# KiCad board arena_10_of_10_v1r1.kicad_pcb (continued)
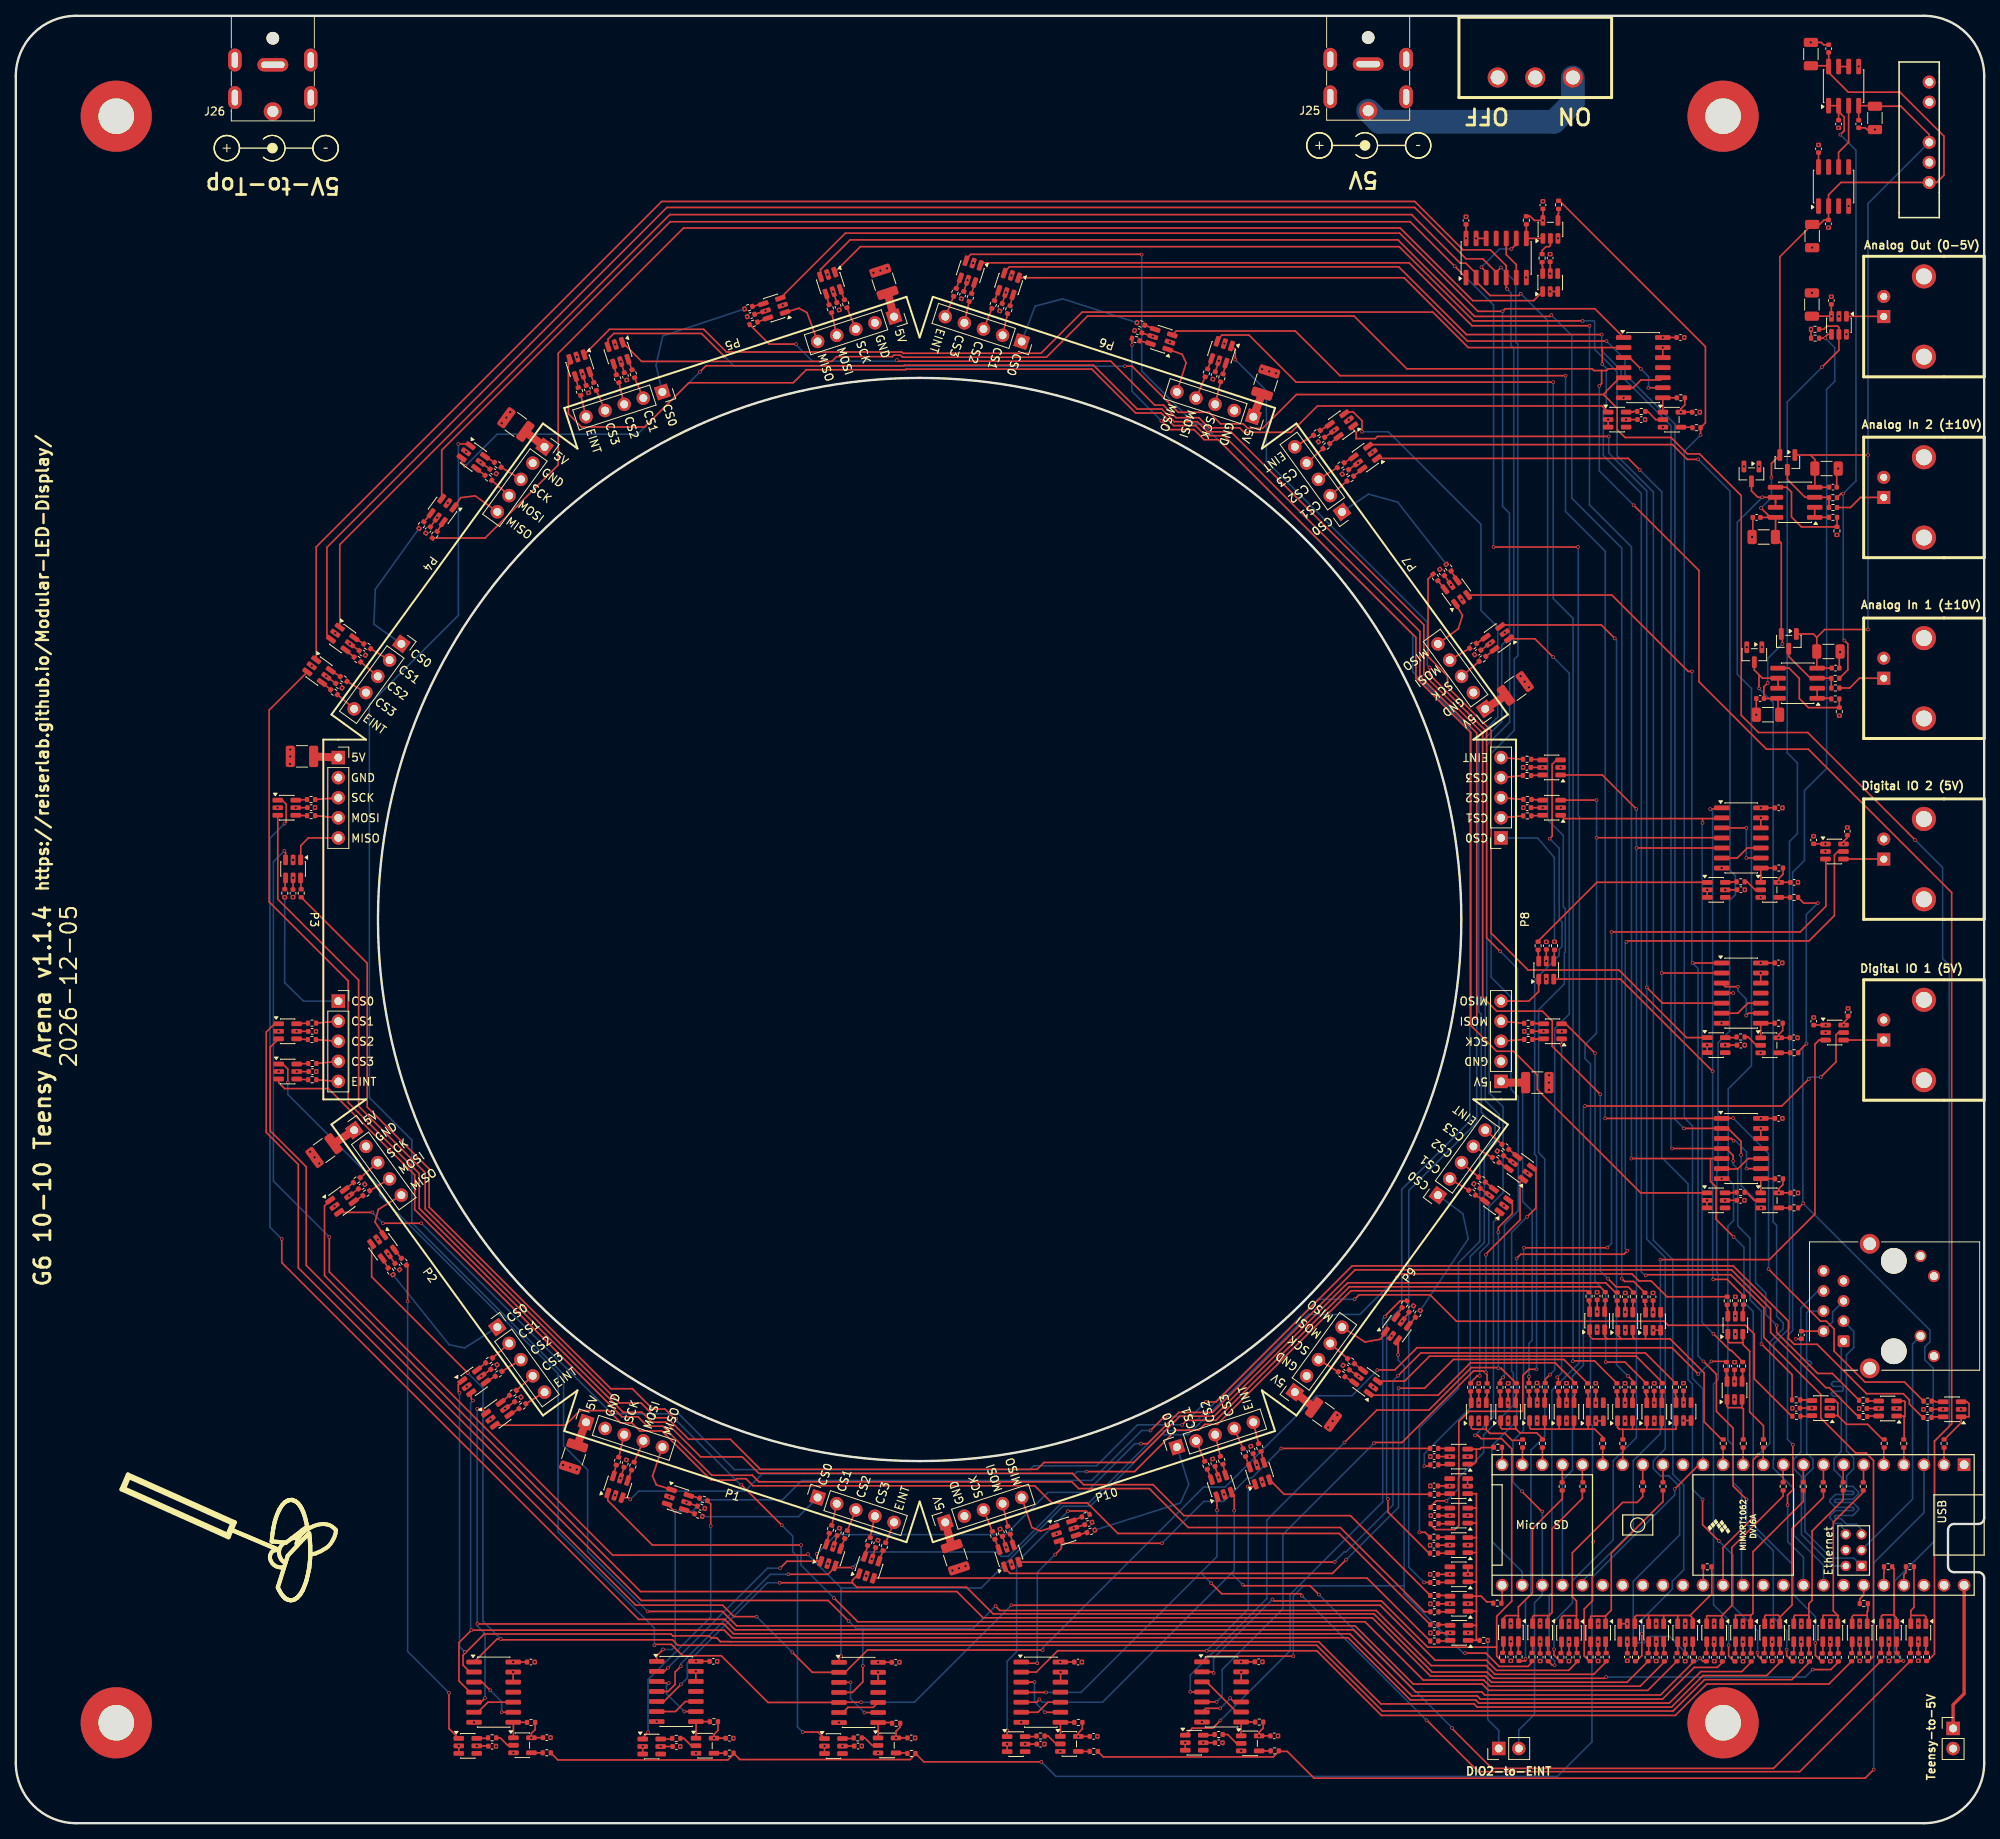
[diagram p0: board, top side]
## Routing (per net, layer and track width the routed paths; a pad name or vN(x,y) marks a point on that pad's centre or on a via; arc(x,y) is an arc through that point) (continued)
/Fan Out/PAN.MOSI_B1_P6: length 177.2
  Top w0.2: R43.2 199.64,58.48 196.95,58.48 v1(196.9,58.43) ; v1(194.41,182.26) 161.9,182.26 155.95,188.22 152.52,188.22 151.93,187.63 U62.3
  Bottom w0.2: v1(194.41,182.26) 194.41,154.89 196.93,152.38 196.93,58.49 196.99,58.43 v1(196.9,58.43)
/Fan Out/PAN.MOSI_B1_P7: length 110.4
  Top w0.2: U66.3 187.94,151.56 200.5,151.56 v1(202.21,149.85) ; v1(203.86,56.56) 204.54,55.89 R44.2
  Bottom w0.2: v1(203.86,56.56) 202.43,57.99 202.43,149.63 v1(202.21,149.85)
/Fan Out/PAN.MOSI_B1_P8: length 51.6
  Top w0.2: v1(201.06,58.32) 203.49,58.32 R45.2 ; v1(199.71,97.39) 195.99,101.11 U70.3
  Bottom w0.2: v1(199.71,97.39) 199.71,68.53 201.06,67.18 v1(201.06,58.32)
/Fan Out/PAN.MOSI_B1_P9: length 38.8
  Top w0.2: U74.3 175.63,55.91 178.78,59.07 204.89,59.07 208.22,55.74 R46.2
/Fan Out/PAN.MOSI_B1_P10: length 104.8
  Top w0.2: v1(174.8,56.6) 177.67,59.48 206.06,59.48 R47.2 ; U78.3 166.76,33.02 v1(166.79,33.05)
  Bottom w0.2: v1(174.8,56.6) 174.15,55.95 174.15,40.24 168.22,34.32 167.99,34.32 166.79,33.12 v1(166.79,33.05)
/Fan Out/PAN.SCK_B0_P1: length 147.1
  Top w0.2: v1(99.3,35.18) 80.5,35.18 74.86,40.81 U42.1 ; v1(103.47,28.48) 106.47,25.47 170.62,25.47 177.99,18.1 185.64,18.1 186.42,17.32 205.4,17.32 208.47,20.39 R28.2
  Bottom w0.2: v1(103.47,28.48) 99.3,32.64 v1(99.3,35.18)
/Fan Out/PAN.SCK_B0_P2: length 199.6
  Top w0.2: U46.1 39.04,78.08 39.04,69.26 79,29.3 119,29.3 122.32,25.98 171.53,25.98 178.91,18.6 185.85,18.6 186.63,17.82 203.76,17.82 R29.2
/Fan Out/PAN.SCK_B0_P3: length 263.7
  Top w0.2: R30.2 212.14,20.38 207.99,16.22 185.75,16.22 185.37,16.6 177.01,16.6 169.15,24.46 90.96,24.46 89.64,25.78 78.76,25.78 33.63,70.91 v1(33.63,73.89) ; v1(33.98,126.42) 34.19,126.63 34.19,128.89 33.69,129.39 U50.1
  Bottom w0.2: v1(33.98,126.42) 32.13,124.57 32.13,75.38 v1(33.63,73.89)
/Fan Out/PAN.SCK_B0_P4: length 304.4
  Top w0.2: U54.1 57.27,174.45 v1(55.96,174.45) ; v1(79.89,26.78) 89.35,26.78 91.17,24.96 169.36,24.96 176.72,17.6 185.43,17.6 186.23,16.8 206.38,16.8 R31.2
  Bottom w0.2: v1(55.96,174.45) 55.96,152.76 44.71,141.51 44.71,91.77 50.08,86.41 50.08,75.95 69.27,56.76 69.27,47.73 72.31,44.69 72.31,34.36 v1(79.89,26.78)
/Fan Out/PAN.SCK_B0_P5: length 278
  Top w0.2: v1(205.62,23.94) 205.62,21.19 204.92,20.49 R32.2 ; v1(198.12,190.01) 184.32,190.01 174.94,199.4 106.8,199.4 U58.1
  Bottom w0.2: v1(205.62,23.94) 205.62,25.74 209.48,29.6 209.48,30.6 210.92,32.04 210.92,42.76 209.55,44.13 209.55,71.27 207.08,73.74 207.08,168.37 202.49,172.96 202.49,183.57 199.65,186.42 199.65,189.92 199.56,190.01 v1(198.12,190.01)
/Fan Out/PAN.SCK_B1_P6: length 147.1
  Top w0.2: v1(191.35,56.49) R38.2 ; U62.1 154.22,186.36 v1(154.22,185.11) ; v1(178.78,146.18) 178.78,145.29 186,138.07 186,111.98 187.7,110.28 v1(187.72,110.28)
  Bottom w0.2: v1(187.72,110.28) 189.91,108.09 189.91,94.04 190.55,93.4 190.55,78.64 191.75,77.44 191.75,61.08 191.35,60.67 v1(191.35,56.49) ; v1(154.22,185.11) 158.15,181.18 158.15,172.26 178.49,151.92 178.49,146.46 v1(178.78,146.18)
/Fan Out/PAN.SCK_B1_P7: length 100.4
  Top w0.2: v1(194.41,147.49) 192.1,149.81 U66.1 ; R39.2 193.41,56.14 v1(194.02,56.74)
  Bottom w0.2: v1(194.02,56.74) 194.61,57.34 194.61,100.49 196.45,102.33 196.45,145.45 v1(194.41,147.49)
/Fan Out/PAN.SCK_B1_P8: length 43.8
  Top w0.2: U70.1 v1(195.48,98.42) ; R40.2 195.07,56.26 v1(194.94,56.4)
  Bottom w0.2: v1(195.48,98.42) 195.48,56.94 v1(194.94,56.4)
/Fan Out/PAN.SCK_B1_P9: length 28.9
  Top w0.2: 197.13,55.66 197.13,55.75 194.66,58.23 183.95,58.23 179.87,54.14 171.34,54.14 U74.1
/Fan Out/PAN.SCK_B1_P10: length 95.5
  Top w0.2: R42.2 195.76,58.65 181.79,58.65 178.16,55.01 v1(174.86,55.01) ; U78.1 125.03,32.27 125.72,31.59 166.49,31.59 168.22,33.33 v1(168.23,33.33)
  Bottom w0.2: v1(174.86,55.01) 174.86,39.95 v1(168.23,33.33)
/Fan Out/TNY.CS_00: length 7.6
  Top w0.2: U16.3 246.76,53.3 247.01,53.05 247.01,51.4 U16.1 246,50.65 243.88,48.53 243.86,48.53 R1.1
/Fan Out/TNY.CS_01: length 6.9
  Top w0.2: 238.8,51.36 238.66,51.5 U17.1 ; 238.8,51.36 238.8,48.59 R2.1 ; 238.8,51.36 238.9,51.46 238.9,53.29 238.79,53.4 U17.3
/Fan Out/TNY.CS_02: length 10.8
  Top w0.2: 230.41,51.55 230.41,53.13 230.09,53.45 U18.3 ; 230.41,51.55 U18.1 ; 230.41,51.55 231.51,50.45 234.17,50.45 236.08,48.54 R3.1
/Fan Out/TNY.CS_03: length 21.6
  Top w0.2: 230.4,26.29 229.84,26.85 229.84,38.08 233.66,41.9 233.66,42.01 233.62,42.04 ; 230.4,26.29 230.42,26.28 230.42,25.22 ; 230.4,26.29 228.57,26.29 228.51,26.24 U19.3
/Fan Out/TNY.CS_04: length 21.6
  Top w0.2: 226.74,26.26 226.7,26.3 224.99,26.3 224.84,26.15 U20.3 ; 226.74,26.26 226.74,27.76 227.16,28.18 227.16,36.96 231.09,40.89 231.09,42.08 231.1,42.09 ; 226.74,26.26 226.74,26.11 ; 226.74,26.11 226.75,26.1 226.74,26.09 ; 226.74,26.11 226.74,26.09 ; 226.74,26.09 U20.1
/Fan Out/TNY.CS_05: length 22.2
  Top w0.2: 223.06,26.04 U21.1 ; 223.06,26.04 223.06,26.13 222.88,26.31 221.3,26.31 221.16,26.17 U21.3 ; 223.06,26.04 224.62,27.6 224.62,37.24 228.59,41.21 228.59,42 228.52,42.07
/Fan Out/TNY.CS_06: length 22.6
  Top w0.2: 226.05,42.09 226.05,40.7 219.68,34.33 219.68,26.54 219.38,26.24 ; 219.38,26.24 219.31,26.3 217.47,26.3 217.48,26.3 U22.3 ; 219.38,26.24 U22.1
/Fan Out/TNY.CS_07: length 23
  Top w0.2: R8.1 223.49,42.08 223.49,41.35 217,34.86 217,27.52 215.73,26.24 ; U23.3 213.82,26.19 213.88,26.24 215.73,26.24 ; 215.73,26.24 U23.1
/Fan Out/TNY.CS_08: length 17.3
  Top w0.2: U24.1 216.5,60.95 216.67,60.78 218.4,60.78 ; 218.4,60.78 U24.3 ; 218.4,60.78 218.4,60.56 219.26,59.7 219.26,52.02 221.01,50.27 221.01,48.55 R9.1
/Fan Out/TNY.CS_09: length 8
  Top w0.2: R10.1 218.47,48.56 218.47,52.38 218.3,52.55 ; 218.3,52.55 U25.3 ; 218.3,52.55 218.29,52.56 216.56,52.56 216.4,52.72 U25.1
/Fan Out/TNY.CS_10: length 22.7
  Top w0.2: R12.1 208.3,40.69 201.76,34.15 201.76,26.94 201.05,26.23 ; U26.3 199.15,26.1 199.24,26.19 201.01,26.19 201.05,26.23 ; 201.05,26.23 U26.1
/Fan Out/TNY.CS_11: length 24.7
  Top w0.2: 195.46,25.21 195.46,26.06 195.66,26.25 197.37,26.25 ; 197.37,26.25 197.37,28.11 196.84,28.63 196.84,34.21 203.2,40.57 205.02,40.57 205.74,41.29 R13.1 ; 197.37,26.25 U27.1
/Fan Out/TNY.CS_12: length 21.6
  Top w0.2: 198.18,42.04 198.11,41.98 198.11,41.08 194.27,37.24 194.27,26.65 193.88,26.26 193.71,26.26 ; U28.3 191.81,26.12 191.95,26.26 193.71,26.26 ; 193.71,26.26 U28.1
/Fan Out/TNY.CS_13: length 21.8
  Top w0.2: 190.01,26.23 190.02,26.23 190.01,26.24 ; 190.01,26.23 190.01,26.24 ; 190.01,26.23 U29.1 ; 190.01,26.24 190.01,27.36 191.79,29.13 191.79,37.24 195.57,41.02 195.57,42 195.55,42.02 ; 190.01,26.24 189.99,26.26 188.46,26.26 188.12,25.92 U29.3
/Fan Out/TNY.CS_14: length 7.9
  Top w0.2: 189.66,49.92 U30.3 ; 189.66,49.92 190.21,49.37 192.34,49.37 193.06,48.65 193.06,48.55 R18.1 ; 189.66,49.92 189.61,49.86 187.95,49.86 187.76,50.05 187.76,50.91
/Fan Out/TNY.CS_15: length 9.2
  Top w0.2: 185.95,49.77 U31.3 ; 185.95,49.77 186.38,49.34 186.38,49.3 188.32,49.3 189.2,48.42 190.44,48.42 R19.1 ; 185.95,49.77 185.89,49.83 184.23,49.83 184.05,50.01 U31.1
/Fan Out/TNY.CS_16: length 6.2
  Top w0.2: U32.1 184.37,45.42 184.7,45.75 184.7,47.32 ; R20.1 186.78,47.55 186.75,47.51 185.35,47.51 185.16,47.32 184.7,47.32 ; 184.7,47.32 183.61,47.32
/Fan Out/TNY.CS_17: length 10.2
  Top w0.2: R21.1 240.04,27.29 239.64,26.9 239.64,26.28 ; 239.64,26.28 241.37,26.28 241.55,26.1 241.55,26.1 U33.1 ; 239.64,26.28 239.64,25.23
/Fan Out/TNY.CS_18: length 10.1
  Top w0.2: 237.52,26.36 237.52,32.2 R22.1 ; 237.52,26.36 237.52,26.28 237.82,25.98 U34.1 ; 237.52,26.36 237.51,26.35 236.09,26.35 235.93,26.19 U34.3
/Fan Out/TNY.CS_19: length 5.5
  Top w0.2: U35.3 232.23,26.14 232.39,26.3 234.12,26.3 ; 234.12,26.3 234.12,26.79 234.21,26.87 R23.1 ; 234.12,26.3 U35.1
/Fan Out/TNY.EINT: length 32.3
  Top w0.2: 184.71,26.8 184.71,25.03 184.71,25.03 ; 184.71,26.8 184.7,26.81 U40.1 ; 184.71,26.8 184.71,28.71 ; U38.1 184.72,41.68 184.71,41.67 184.71,39.83 ; 184.71,25.03 U39.3 ; 184.71,25.03 184.71,23.13 184.71,23.12 ; 184.71,36.12 184.71,37.94 ; 184.71,36.12 184.71,34.24 ; 184.71,36.12 U36.3 ; 184.71,37.94 184.71,39.83 ; 184.71,37.94 184.69,37.96 183.62,37.96 ; 184.71,30.51 184.69,30.53 U41.1 ; 184.71,30.51 184.71,34.24 ; 184.71,30.51 184.71,28.71 ; 184.71,23.12 185.12,23.12 R216.2 ; 184.71,23.12 183.66,23.12 ; 184.71,39.83 184.69,39.86 183.62,39.86 ; 184.71,28.71 U40.3 ; 184.71,28.71 185.3,28.71 186.01,28 186.66,28 R25.1 ; 184.71,34.24 184.69,34.22 U36.1
/Fan Out/TNY.MISO_B0: length 347
  Top w0.2: v1(129.69,7.76) 114.83,7.76 R192.1 113.77,8.72 113.11,8.05 91.57,8.05 91.45,8.17 90.83,8.79 ; U1.14 212.84,45.34 v1(209.79,42.28) ; R195.1 195.22,205.2 213.67,186.75 213.67,177.12 R198.1 v1(213.05,175.58) ; R189.1 68.55,8 90.04,8 90.83,8.79 ; 90.83,8.79 R186.1
  Bottom w0.2: v1(209.79,42.28) 209.79,41.51 199.32,31.05 199.32,10.29 194.95,5.92 131.53,5.92 v1(129.69,7.76) ; U1.14 213.36,54.92 212.04,56.25 212.04,88.18 210.99,89.23 210.99,173.52 v1(213.05,175.58)
/Fan Out/TNY.MISO_B1: length 226.8
  Top w0.2: R213.1 137.52,8.38 159.01,8.38 159.71,9.08 ; R201.1 225.46,77.83 v1(226.03,78.4) ; R207.1 225.39,117.07 226.08,116.38 v1(227.88,116.38) ; v1(234.95,6.78) 233.86,5.69 164.18,5.69 160.79,9.08 159.71,9.08 ; 159.71,9.08 R210.1 ; R204.1 225.4,97.55 v1(226.45,98.6)
  Bottom w0.2: v1(234.95,6.78) 234.95,32.93 241.3,39.28 U1.3 241.83,45.87 241.83,51.23 242.48,51.88 242.48,57.55 241.42,58.6 241.42,60.25 242.05,60.88 242.05,62.37 v1(226.03,78.4) 225.99,78.43 225.99,98.14 v1(226.45,98.6) 226.43,98.63 226.43,114.93 v1(227.88,116.38)
/Fan Out/TNY.MOSI_B0: length 32.5
  Top w0.2: 200.93,62 200.93,61.57 201.24,61.26 ; 200.93,62 U7.3 200.93,62 ; 215.92,48.51 215.76,48.51 213.5,50.77 213.5,56.95 209.19,61.26 206.1,61.26 ; 199.03,62.02 U7.1 199.03,62.02 ; 199.03,62.02 199.03,61.62 199.39,61.26 201.24,61.26 ; 201.24,61.26 203.03,61.26 ; 203.03,61.26 202.58,61.71 202.58,62.37 ; 203.03,61.26 204.76,61.26 ; 204.76,61.26 206.1,61.26 ; 204.76,61.26 204.49,61.54 U8.3 ; 206.1,61.26 U9.1
/Fan Out/TNY.MOSI_B1: length 13.9
  Top w0.2: U14.1 206.25,49.83 206.24,49.82 ; 204.45,49.82 206.24,49.82 ; 204.45,49.82 203.22,49.82 ; 204.45,49.82 U13.3 ; 206.24,49.82 208.14,49.82 ; 203.22,49.82 R14.1 ; 203.22,49.82 202.78,49.82 202.55,50.05 U13.1 ; U14.3 208.15,49.83 208.14,49.82 ; 209.95,50.93 209.95,49.88 209.89,49.82 208.14,49.82
/Fan Out/TNY.SCK_B0: length 19.6
  Top w0.2: 211.73,26.27 214.48,29.02 214.48,32.27 214.42,32.33 R24.1 ; 211.73,26.27 212.06,25.94 U5.1 ; 211.73,26.27 210.13,26.27 ; U5.3 210.17,26.24 210.13,26.27 ; U4.1 208.39,26.27 ; 208.39,26.27 206.5,26.27 ; 208.39,26.27 210.13,26.27 ; 206.5,26.27 206.49,26.26 U4.3 ; 206.5,26.27 204.92,26.27 204.74,26.09 U6.1
/Fan Out/TNY.SCK_B1: length 15.4
  Top w0.2: U12.1 198.85,49.86 198.87,49.84 ; 198.87,49.84 199.67,49.84 200.68,48.83 200.68,48.35 ; 198.87,49.84 197.04,49.84 ; 193.37,49.84 193.34,49.87 193.34,50.93 ; 193.37,49.84 191.6,49.84 191.44,50 191.44,50.93 ; 193.37,49.84 195.15,49.84 ; U11.1 195.15,49.84 ; 195.15,49.84 197.04,49.84 ; U11.3 197.05,49.85 197.04,49.84
/Panels/Panel Column P1/Column Buffer/CS0_OUT: length 15.6
  Top w0.2: 86.82,38.81 R101.2 v1(86.82,38.81)
  Bottom w0.2: v1(86.82,38.81) 86.85,38.78 98.98,38.78 J6.1
/Panels/Panel Column P1/Column Buffer/CS1_OUT: length 2.8
  Top w0.2: R102.2 103.18,37.66 103.51,39.1 103.81,40.41
/Panels/Panel Column P1/Column Buffer/CS2_OUT: length 2.8
  Top w0.2: R103.2 J6.3
/Panels/Panel Column P1/Column Buffer/CS_3OUT: length 2.8
  Top w0.2: 108.64,38.84 108.2,36.83 R104.2
/Panels/Panel Column P1/Column Buffer/EINT_OUT: length 2.8
  Top w0.2: R105.2 J6.5
/Panels/Panel Column P1/Column Buffer/MISO_IN: length 7.1
  Top w0.2: U43.1 81.01,42.79 80.51,43.9 J5.5
/Panels/Panel Column P1/Column Buffer/MOSI_OUT: length 2.9
  Top w0.2: 79.35,48.36 78.19,45.65 R100.2
/Panels/Panel Column P1/Column Buffer/SCK_OUT: length 2.9
  Top w0.2: R99.2 76.25,46.28 J5.3
/Panels/Panel Column P2/Column Buffer/CS0_OUT: length 18.3
  Top w0.2: 47.69,69.38 R109.2 ; 47.69,69.38 47.69,69.38 ; 47.69,69.38 v1(47.69,69.38)
  Bottom w0.2: v1(47.69,69.38) 54.8,60.52 56.75,60.11 60.89,62.74 J8.1
/Panels/Panel Column P2/Column Buffer/CS1_OUT: length 2.8
  Top w0.2: R110.2 J8.2
/Panels/Panel Column P2/Column Buffer/CS2_OUT: length 2.8
  Top w0.2: R111.2 J8.3
/Panels/Panel Column P2/Column Buffer/CS_3OUT: length 2.8
  Top w0.2: R112.2 J8.4
/Panels/Panel Column P2/Column Buffer/EINT_OUT: length 2.8
  Top w0.2: 66.86,54.52 65.97,53.97 R113.2
/Panels/Panel Column P2/Column Buffer/MISO_IN: length 7.1
  Top w0.2: J7.5 48.76,79.44 45.84,77.62 45.43,76.02 U47.1
/Panels/Panel Column P2/Column Buffer/MOSI_OUT: length 2.9
  Top w0.2: R108.2 J7.4
/Panels/Panel Column P2/Column Buffer/SCK_OUT: length 2.9
  Top w0.2: R107.2 J7.3
/Panels/Panel Column P3/Column Buffer/CS0_OUT: length 18.5
  Top w0.2: R117.2 v1(34.01,117.11)
  Bottom w0.2: J10.1 36.37,103.98 33.99,106.32 v1(34.01,117.11)
/Panels/Panel Column P3/Column Buffer/CS1_OUT: length 2.8
  Top w0.2: R118.2 J10.2
/Panels/Panel Column P3/Column Buffer/CS2_OUT: length 2.8
  Top w0.2: 40.78,98.9 R119.2
/Panels/Panel Column P3/Column Buffer/CS_3OUT: length 2.8
  Top w0.2: J10.4 38,96.09 R120.2
/Panels/Panel Column P3/Column Buffer/EINT_OUT: length 2.8
  Top w0.2: R121.2 J10.5
/Panels/Panel Column P3/Column Buffer/MISO_IN: length 7
  Top w0.2: J9.5 37,124.62 36.04,123.64 36.01,121.84
/Panels/Panel Column P3/Column Buffer/MOSI_OUT: length 2.9
  Top w0.2: J9.4 38.69,127.35 R116.2
/Panels/Panel Column P3/Column Buffer/SCK_OUT: length 4.2
  Top w0.2: J9.3 40.68,129.6 39.52,129.6 ; 39.52,129.6 R115.2 ; 39.52,129.6 40.78,129.7
/Panels/Panel Column P4/Column Buffer/CS0_OUT: length 18.2
  Top w0.2: 50.99,163.77 v1(50.99,163.77) ; 50.99,163.77 51,163.77 50.99,163.77
  Bottom w0.2: 48.76,149.16 45.28,151.65 45.46,156.06 v1(50.99,163.77)
/Panels/Panel Column P4/Column Buffer/CS1_OUT: length 2.8
  Top w0.2: J12.2 46.02,147.85 R126.2
/Panels/Panel Column P4/Column Buffer/CS2_OUT: length 2.8
  Top w0.2: 43.61,146.89 J12.3
/Panels/Panel Column P4/Column Buffer/CS_3OUT: length 2.8
  Top w0.2: J12.4 44.28,143 43.07,143.71 41.87,144.41
/Panels/Panel Column P4/Column Buffer/EINT_OUT: length 2.8
  Top w0.2: R129.2 41.19,142.3 42.78,140.94 J12.5
/Panels/Panel Column P4/Column Buffer/MISO_IN: length 6.8
  Top w0.2: 55.39,166.41 56.27,167.66 58.1,167.88 60.89,165.86 J11.5
/Panels/Panel Column P4/Column Buffer/MOSI_OUT: length 2.9
  Top w0.2: J11.4 61.15,168.99 60.17,169.86
/Panels/Panel Column P4/Column Buffer/SCK_OUT: length 2.9
  Top w0.2: 61.36,171.51 61.99,171.13 J11.3
/Panels/Panel Column P5/Column Buffer/CS0_OUT: length 18.2
  Top w0.2: 92.16,191.53 R133.2 92.16,191.53 ; 92.16,191.53 v1(92.16,191.53)
  Bottom w0.2: J14.1 80.95,184.38 81.81,188.1 v1(92.16,191.53)
/Panels/Panel Column P5/Column Buffer/CS1_OUT: length 2.8
  Top w0.2: R134.2 78.25,182.84 J14.2
/Panels/Panel Column P5/Column Buffer/CS2_OUT: length 2.8
  Top w0.2: R135.2 76.62,180.76 J14.3
/Panels/Panel Column P5/Column Buffer/CS_3OUT: length 2.8
  Top w0.2: R136.2 J14.4
/Panels/Panel Column P5/Column Buffer/EINT_OUT: length 2.8
  Top w0.2: R137.2 J14.5
/Panels/Panel Column P5/Column Buffer/MISO_IN: length 6.9
  Top w0.2: J13.5 100.05,191.06 99.03,191.61 U59.1
/Panels/Panel Column P5/Column Buffer/MOSI_OUT: length 2.9
  Top w0.2: J13.4 103.81,188.19 R132.2
/Panels/Panel Column P5/Column Buffer/SCK_OUT: length 2.9
  Top w0.2: R131.2 J13.3
/Panels/Panel Column P6/Column Buffer/CS0_OUT: length 18.3
  Top w0.2: v1(141.78,189.79) R141.2 141.78,189.79
  Bottom w0.2: J16.1 128.9,191.88 132.38,192.8 v1(141.78,189.79)
/Panels/Panel Column P6/Column Buffer/CS1_OUT: length 2.8
  Top w0.2: R142.2 125.42,190.94 125.09,189.5 124.79,188.19
/Panels/Panel Column P6/Column Buffer/CS2_OUT: length 2.8
  Top w0.2: R143.2 J16.3
/Panels/Panel Column P6/Column Buffer/CS_3OUT: length 2.8
  Top w0.2: R144.2 120.4,191.77 119.96,189.76
/Panels/Panel Column P6/Column Buffer/EINT_OUT: length 2.8
  Top w0.2: J16.5 118.07,191.84 R145.2
/Panels/Panel Column P6/Column Buffer/MISO_IN: length 7
  Top w0.2: J15.5 148,184.71 147.49,185.79 U63.1
/Panels/Panel Column P6/Column Buffer/MOSI_OUT: length 2.9
  Top w0.2: 149.25,180.25 149.68,181.26 150.41,182.95 R140.2
/Panels/Panel Column P6/Column Buffer/SCK_OUT: length 2.9
  Top w0.2: R139.2 152.35,182.32 J15.3
/Panels/Panel Column P7/Column Buffer/CS0_OUT: length 17.8
  Top w0.2: R149.2 v1(180.9,159.22)
  Bottom w0.2: J18.1 167.71,165.86 171.05,168.1 174.75,167.09 v1(180.9,159.22)
/Panels/Panel Column P7/Column Buffer/CS1_OUT: length 2.8
  Top w0.2: R150.2 J18.2
/Panels/Panel Column P7/Column Buffer/CS2_OUT: length 2.8
  Top w0.2: J18.3 R151.2
/Panels/Panel Column P7/Column Buffer/CS_3OUT: length 2.8
  Top w0.2: J18.4 164.8,173.42 165.32,173.88
/Panels/Panel Column P7/Column Buffer/EINT_OUT: length 2.8
  Top w0.2: R153.2 161.74,174.08 161.74,174.08
/Panels/Panel Column P7/Column Buffer/MISO_IN: length 6.7
  Top w0.2: U67.1 182.94,152.78 182.9,152.58 182.41,151.06 179.84,149.16
/Panels/Panel Column P7/Column Buffer/MOSI_OUT: length 2.9
  Top w0.2: R148.2 183.76,148.55 J17.4
/Panels/Panel Column P7/Column Buffer/SCK_OUT: length 2.9
  Top w0.2: J17.3 R147.2
/Panels/Panel Column P8/Column Buffer/CS0_OUT: length 18.5
  Top w0.2: 194.58,111.5 R157.2 194.58,111.5 ; 194.58,111.5 v1(194.58,111.5)
  Bottom w0.2: v1(194.58,111.5) 194.56,122.14 192.46,124.6 189.07,124.61 187.82,124.62
/Panels/Panel Column P8/Column Buffer/CS1_OUT: length 2.8
  Top w0.2: J20.2 R158.2
/Panels/Panel Column P8/Column Buffer/CS2_OUT: length 2.8
  Top w0.2: 187.82,129.7 R159.2
/Panels/Panel Column P8/Column Buffer/CS_3OUT: length 2.8
  Top w0.2: J20.4 190.6,132.51 R160.2
/Panels/Panel Column P8/Column Buffer/EINT_OUT: length 2.8
  Top w0.2: 187.82,134.78 R161.2
/Panels/Panel Column P8/Column Buffer/MISO_IN: length 9.4
  Top w0.2: 192.58,105.97 192.59,106.77 192.59,105.98 192.58,105.97 ; 192.58,105.97 192.57,105.17 191.32,103.97 189.57,103.98 ; J19.5 187.82,103.98 189.57,103.98 ; 189.57,103.98 187.82,103.98
/Panels/Panel Column P8/Column Buffer/MOSI_OUT: length 2.9
  Top w0.2: 187.82,101.44 R156.2
/Panels/Panel Column P8/Column Buffer/SCK_OUT: length 2.9
  Top w0.2: R155.2 J19.3
/Panels/Panel Column P9/Column Buffer/CS0_OUT: length 18.1
  Top w0.2: 177.6,64.84 v1(177.6,64.84) ; 177.6,64.84 177.6,64.84 177.6,64.84
  Bottom w0.2: v1(177.6,64.84) 183.68,73.91 182.98,77.09 181.11,78.49 179.84,79.44
/Panels/Panel Column P9/Column Buffer/CS1_OUT: length 2.8
  Top w0.2: R166.2 181.94,81.13 J22.2
/Panels/Panel Column P9/Column Buffer/CS2_OUT: length 2.8
  Top w0.2: J22.3 185,81.71
/Panels/Panel Column P9/Column Buffer/CS_3OUT: length 2.8
  Top w0.2: J22.4 184.32,85.6 185.53,84.89 186.73,84.19
/Panels/Panel Column P9/Column Buffer/EINT_OUT: length 2.8
  Top w0.2: J22.5 185.81,87.66 R169.2
/Panels/Panel Column P9/Column Buffer/MISO_IN: length 6.6
  Top w0.2: 167.71,62.74 170.62,60.86 172.59,61.22 173.21,62.19
/Panels/Panel Column P9/Column Buffer/MOSI_OUT: length 2.9
  Top w0.2: 168.43,58.74 J21.4
/Panels/Panel Column P9/Column Buffer/SCK_OUT: length 2.9
  Top w0.2: 167.24,57.09 167.13,57.15 J21.3
/Panels/Panel Column P10/Column Buffer/CS0_OUT: length 18.9
  Top w0.2: 136.44,37.07 R173.2 136.44,37.07 ; 136.44,37.07 v1(136.44,37.07)
  Bottom w0.2: v1(136.44,37.07) 147.27,40.5 148.34,42.85 147.35,45.97 J24.1
/Panels/Panel Column P10/Column Buffer/CS1_OUT: length 2.8
  Top w0.2: 149.25,48.36 150.35,45.76 R174.2
/Panels/Panel Column P10/Column Buffer/CS2_OUT: length 2.8
  Top w0.2: R175.2 151.98,47.84 J24.3
/Panels/Panel Column P10/Column Buffer/CS_3OUT: length 2.8
  Top w0.2: R176.2 J24.4
/Panels/Panel Column P10/Column Buffer/EINT_OUT: length 2.8
  Top w0.2: R177.2 J24.5
/Panels/Panel Column P10/Column Buffer/MISO_IN: length 7
  Top w0.2: J23.5 128.49,37.4 129.59,36.95 131.3,37.51
/Panels/Panel Column P10/Column Buffer/MOSI_OUT: length 2.9
  Top w0.2: J23.4 124.79,40.41 R172.2
/Panels/Panel Column P10/Column Buffer/SCK_OUT: length 2.9
  Top w0.2: R171.2 122.79,38.6 J23.3
/Power/SW_5V: length 32.3
  Bottom w0.2: SW1.1 196.9,219.2 196.9,219.19
  Bottom w3: J25.1 172.42,215.2 194.51,215.2 196.9,217.59 SW1.1
/Teensy/D29_0_3V3: length 90.2
  Top w0.2: v1(207.97,71.28) 221.75,71.28 227.52,77.05 227.52,98.53 228.04,99.05 U2.3
  Bottom w0.2: v1(207.97,71.28) 207.97,49.27 204.54,45.84 204.54,37.06 198.12,30.64 U1.29
/Teensy/D29_5V: length 5.1
  Top w0.2: U2.4 236.21,99.05 J3.1
/Teensy/D35_0_3V3: length 151.8
  Top w0.2: v1(201.27,72.81) 201.24,72.78 v1(190.74,72.78) ; v1(201.79,112.73) 225.66,112.73 228.9,115.97 228.9,121.9 U3.3 ; v1(190.47,41.98) 190.47,41.95 193,39.42 v1(193.04,39.42)
  Bottom w0.2: J30.2 190.06,11.79 192.06,13.78 192.06,27.9 193.04,28.88 U1.27 v1(193.04,39.42) ; v1(190.47,41.98) 189.33,43.12 189.33,48.35 190.67,49.69 190.67,72.71 v1(190.74,72.78) ; v1(201.27,72.81) 201.79,73.33 v1(201.79,112.73)
/Teensy/D35_5V: length 5.1
  Top w0.2: 236.2,121.96 J4.1 236.2,121.95 U3.4
/Teensy/ETH_LED: length 31
  Bottom w0.2: 234.01,35.14 U1.61 234.01,35.14 ; 234.01,35.14 239.86,40.99 239.86,60.61 J1.10
/Teensy/ETH_R+: length 41
  Bottom w0.2: 232.91,33.03 U1.60 232.91,33.03 ; 232.91,33.03 232.42,33.53 229.62,33.53 226.25,36.9 226.25,43.87 226.26,43.87 227.26,44.87 227.26,46.03 226.47,46.82 226.47,57.7 226.68,57.91 226.87,57.91 227.08,58.13 227.08,58.23 226.87,58.44 226.68,58.44 226.47,58.66 226.47,64.54 226.7,64.77 J1.4
/Teensy/ETH_R-: length 40.5
  Bottom w0.2: U1.65 229.77,32.54 225.81,36.51 225.81,43.87 224.83,44.85 224.83,46.05 224.86,46.05 225.74,46.93 225.74,65.16 227.89,67.31 J1.6
/Teensy/ETH_T+: length 39.6
  Bottom w0.2: U1.63 231.41,36.97 230.9,37.48 230.9,37.8 230.8,37.9 230.11,37.9 229.39,38.62 229.39,38.82 230.11,39.54 232.31,39.54 232.41,39.64 232.41,39.84 232.31,39.94 230.11,39.94 229.39,40.66 229.39,40.86 230.11,41.58 232.31,41.58 232.41,41.68 232.41,41.88 232.31,41.98 231.62,41.98 230.9,42.7 230.9,43.72 229.93,44.69 229.93,46.09 230.84,47 230.84,53.75 230.59,54 229.85,54 229.6,54.25 229.6,54.37 229.85,54.62 230.96,54.62 231.08,54.74 231.08,55.12 230.96,55.24 229.85,55.24 229.6,55.49 229.6,55.61 229.85,55.86 230.59,55.86 230.84,56.11 230.84,60.66 J1.1